# Altium PCB CGRA_Board_3.PcbDoc (part 4 of 7)
Units mil, origin at the board's own origin, x right, y up, seen from the top; angles counter-clockwise.
Board outline 10143 x 5538 mil, 10 copper layers (Top Layer, GND, Int2 (Sign), 1V8, Int4 (Sign), Int5 (Sign), 0V8_OUT, Int7 (Sign), GND (Plane4), Bottom Layer), stack 59.156 mil thick; 266 components, 396 nets, 2084 pads, 2900 vias.
Unrouted connection lines stored in the file: 464.
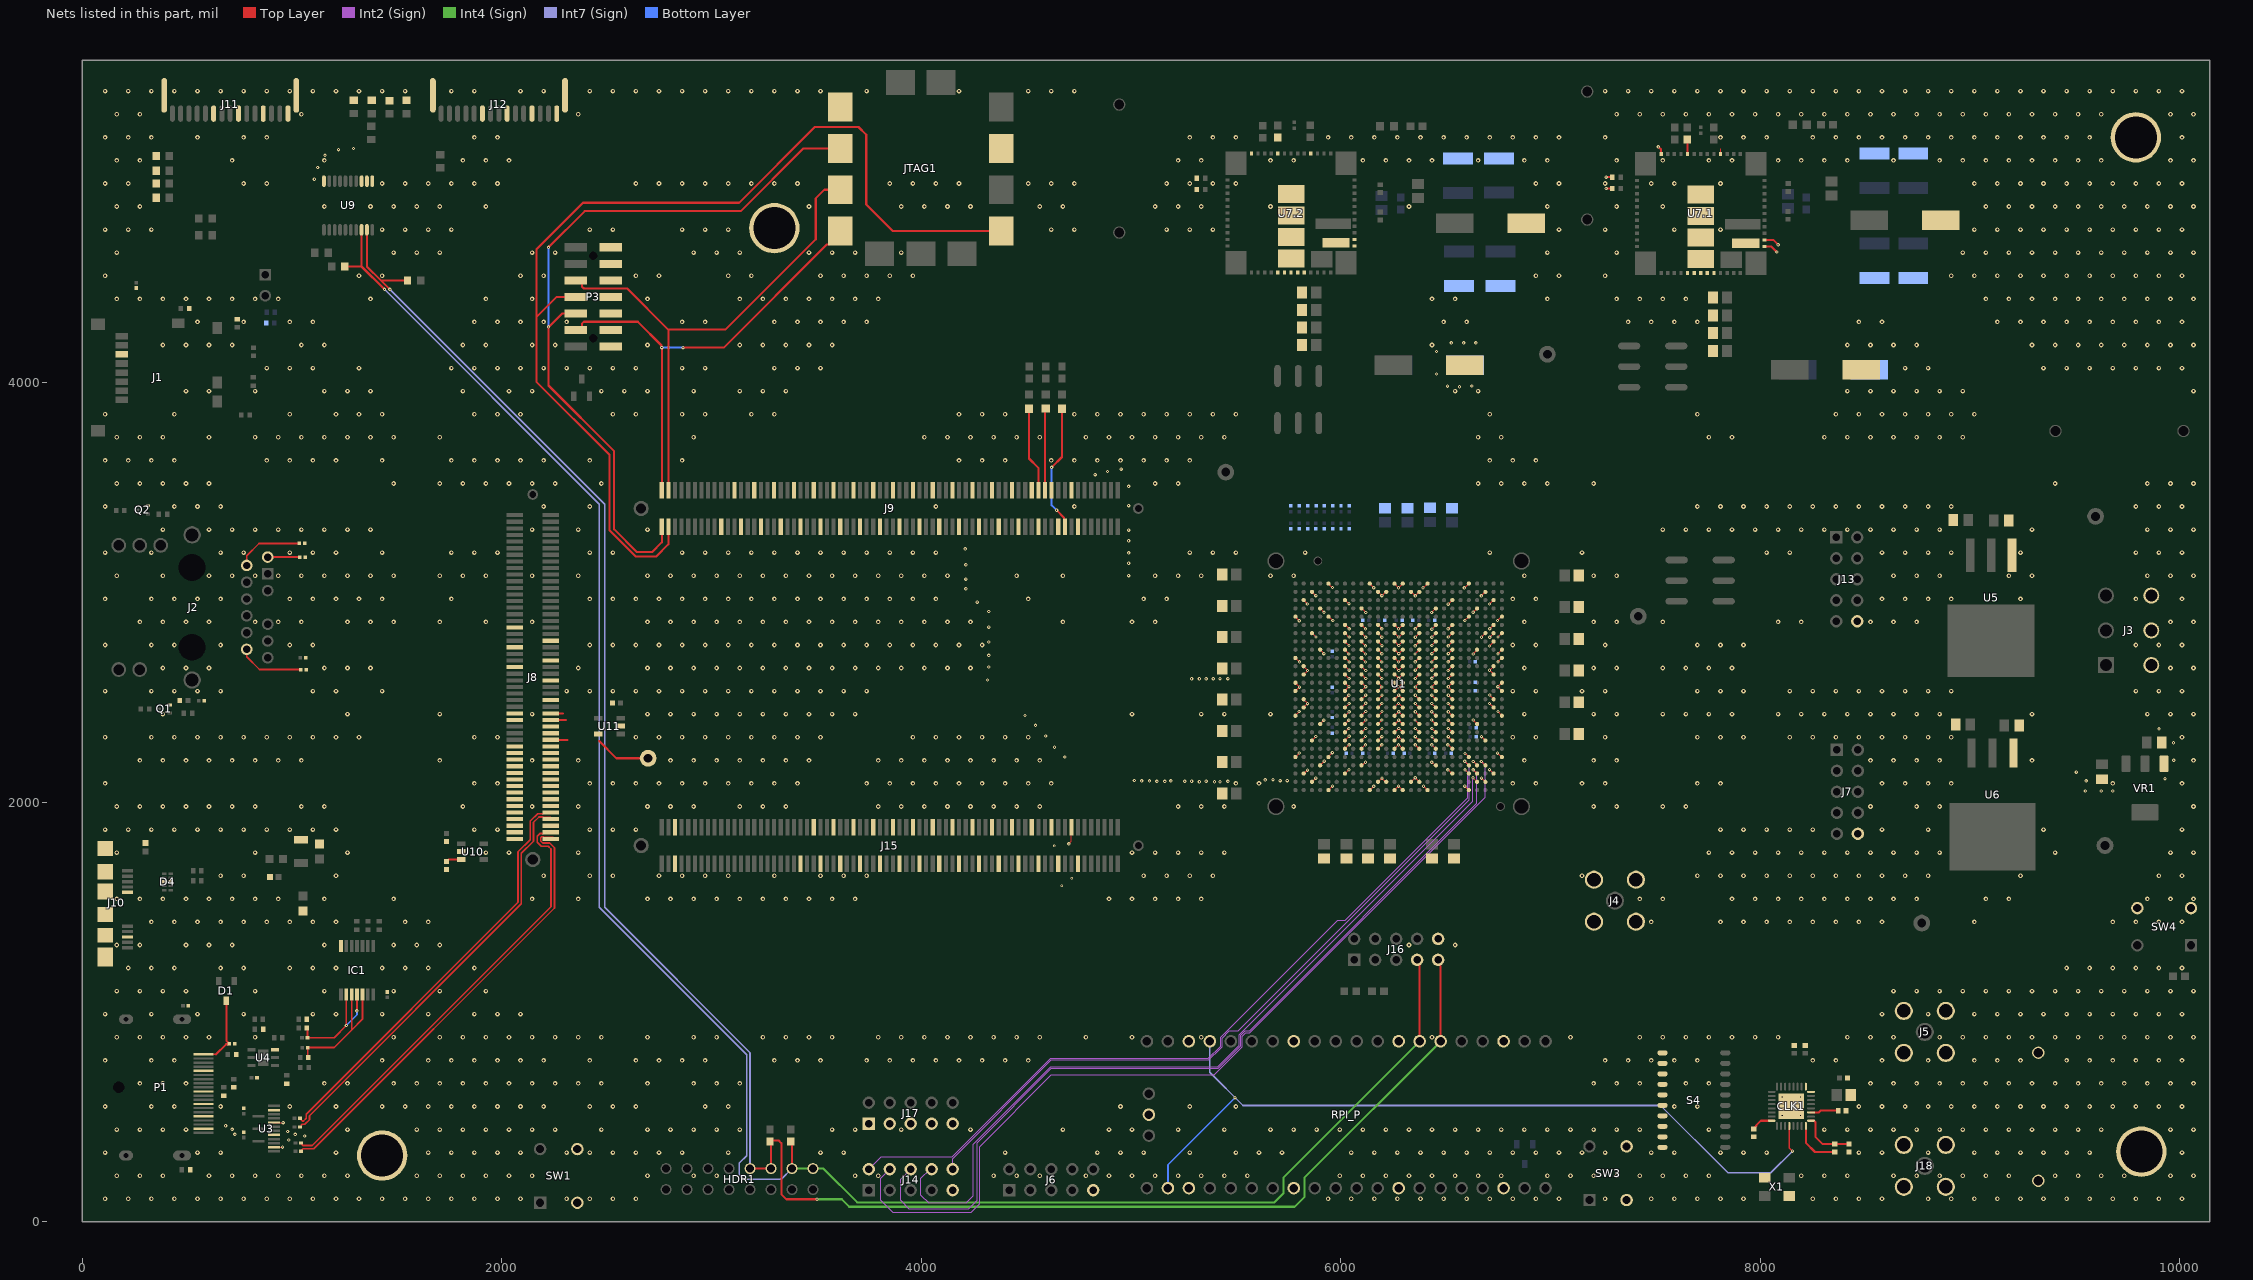
[diagram p12: the nets of this part, all layers, seen from the top]

## Via types
v1: diameter 22, hole 10, Top Layer to Bottom Layer, 1756 vias
v2: diameter 15.98, hole 4, Top Layer to Bottom Layer, 537 vias
v3: diameter 15.98, hole 4, Top Layer to Bottom Layer, tented both sides, 515 vias
v4: diameter 16, hole 4, Top Layer to Bottom Layer, 47 vias
v5: diameter 12, hole 6, Top Layer to Bottom Layer, 30 vias
v6: diameter 16, hole 8, Top Layer to Bottom Layer, 15 vias

## Nets (pads, with @x,y where several pads share a name; then routed paths per layer and width w, separated by ;. In a path a pad name is that pad's centre, name@x,y a point inside that pad or via, vN(x,y) a via of type N, cw(c..) or ccw(c..) an arc to the next point about the centre after c; other vN are vias at no path point) (continued)
GND: B5.1 B5.2 C1.2 C2.2 C3.2 C4.2 C5.2 C6.2 C7.2 C8.2 C9.2 C10.2 C11.2 C12.2 C13.2 C14.2 C15.2 C16.2 C17.2 C18.2 C19.2 C20.2 C21.2 C22.2 C23.2 C24.2 C25.2 C26.2 C27.2 C28.2 C29.2 C30.2 C31.2 C32.2 C33.2 C34.2 C35.2 C37.2 C38.2 C39.2 C40.2 C41.2 C42.2 C43.2 C44.2 C45.2 C46.2 C47.2 C48.2 C49.2 C96.2 C97.2 C98.2 C99.2 C100.2 C101.2 C106.2 C107.2 C108.2 C109.2 C110.2 C111.2 C112.2 C113.2 C114.2 C115.2 C116.2 C117.2 C118.2 C119.2 C120.2 C121.2 C137.1 C138.1 C139.1 C142.2 C143.1 C144.1 C145.2 C146.1 C147.1 C148.1 C149.1 C150.1 C151.1 C152.1 C153.1 C154.1 C155.1 C156.1 C157.1.2 C157.2.2 C158.1.2 C158.2.2 C159.1.2 C159.2.2 C160.1.2 C160.2.2 C161.1.2 C161.2.2 C163.1.2 C163.2.2 C164.1.2 C164.2.2 C165.1.2 C165.2.2 C166.1.2 C166.2.2 C167.1.2 C167.2.2 C168.1.2 C168.2.2 C173.1 C174.1 C175.1 C176.1 C177.1 C178.2 C179.2 C180.2 C181.2 C182.1 C183.1 C184.1 C185.1 CLK1.24 CLK1.25 CLK1.33 D4.3 D4.8 IC1.7 J1.6 J3.4 J3.5 J3.6 J4.MH J5.MH J6.9 J7.10 J8.2 J8.4 J8.5 J8.6 J8.8 J8.10 J8.11 J8.12 J8.14 J8.16 J8.17 J8.19 J8.22 J8.24 J8.25 J8.30 J8.43 J8.49 J8.54 J8.55 J8.60 J8.61 J8.66 J9.19 J9.24 J9.25 J9.30 J9.31 J9.36 J9.37 J9.42 J9.43 J9.48 J9.49 J9.54 J9.55 J9.60 J9.61 J9.66 J9.67 J9.72 J9.73 J9.78 J9.79 J9.84 J9.85 J9.90 J9.91 J9.96 J9.97 J9.102 J9.103 J9.108 J9.109 J9.114 J9.115 J9.120 J9.121 J9.126 J9.127 J10.5 J10.8 J10.Shell J11.6 J11.9 J11.12 J11.15 J11.16 J12.6 J12.9 J12.12 J12.15 J12.16 J13.10 J14.9 J15.5 J15.6 J15.43 J15.48 J15.49 J15.54 J15.55 J15.60 J15.61 J15.66 J15.67 J15.72 J15.73 J15.78 J15.79 J15.84 J15.85 J15.90 J15.91 J15.96 J15.97 J15.102 J15.103 J15.108 J15.109 J15.114 J15.115 J15.120 J15.121 J15.126 J15.127 J16.10 J17.1 J17.3 J17.5 J17.7 J17.9 J18.MH JTAG1.1 JTAG1.10 P1.2 P1.5 P1.8 P1.11 P1.16 P3.1 P3.3 P3.5 P3.7 P3.9 P3.11 P3.13 pad.2 pad.3 pad.4 pad.5 Q1.2 Q2.2 R5.1 R6.1 R9.1 R10.1 R11.1 R12.2 R13.2 R22.2 R24.1 R26.2 R31.1 R33.1 R34.1 R36.1 R37.1 RPI_P.3 RPI_P.8 RPI_P.13 RPI_P.18 RPI_P.23 RPI_P.28 RPI_P.33 RPI_P.38 RPI_P.42 Rset1.1.2 Rset1.2.2 S4.1 S4.2 S4.3 S4.4 S4.5 S4.6 S4.7 S4.8 S4.9 S4.10 SW1.3 SW1.4 SW3.3 SW3.4 SW4.3 SW4.4 U1.A5 U1.A10 U1.A13 U1.A14 U1.A17 U1.A22 U1.AB1 U1.AB5 U1.AB22 U1.AB26 U1.AC4 U1.AC9 U1.AC18 U1.AC23 U1.AD2 U1.AD7 U1.AD20 U1.AD25 U1.AE3 U1.AE11 U1.AE12 U1.AE15 U1.AE16 U1.AE24 U1.AF5 U1.AF10 U1.AF13 U1.AF14 U1.AF17 U1.AF22 U1.B3 U1.B11 U1.B12 U1.B15 U1.B16 U1.B24 U1.C2 U1.C7 U1.C20 U1.C25 U1.D4 U1.D9 U1.D18 U1.D23 U1.E1 U1.E5 U1.E22 U1.E26 U1.G3 U1.G6 U1.G7 U1.G8 U1.G9 U1.G10 U1.G11 U1.G12 U1.G13 U1.G14 U1.G15 U1.G16 U1.G17 U1.G18 U1.G19 U1.G20 U1.G21 U1.G24 U1.J4 U1.J6 U1.J7 U1.J8 U1.J9 U1.J10 U1.J11 U1.J12 U1.J13 U1.J14 U1.J15 U1.J16 U1.J17 U1.J18 U1.J19 U1.J20 U1.J21 U1.J23 U1.K1 U1.K26 U1.L2 U1.L6 U1.L7 U1.L8 U1.L9 U1.L10 U1.L11 U1.L12 U1.L13 U1.L14 U1.L15 U1.L16 U1.L17 U1.L18 U1.L19 U1.L20 U1.L21 U1.L25 U1.M2 U1.M25 U1.N1 U1.N6 U1.N7 U1.N8 U1.N9 U1.N10 U1.N11 U1.N12 U1.N13 U1.N14 U1.N15 U1.N16 U1.N17 U1.N18 U1.N19 U1.N20 U1.N21 U1.N26 U1.P1 U1.P6 U1.P7 U1.P8 U1.P9 U1.P10 U1.P11 U1.P12 U1.P13 U1.P14 U1.P15 U1.P16 U1.P17 U1.P18 U1.P19 U1.P20 U1.P21 U1.P26 U1.R2 U1.R25 U1.T2 U1.T6 U1.T7 U1.T8 U1.T9 U1.T10 U1.T11 U1.T12 U1.T13 U1.T14 U1.T15 U1.T16 U1.T17 U1.T18 U1.T19 U1.T20 U1.T21 U1.T25 U1.U1 U1.U26 U1.V4 U1.V6 U1.V7 U1.V8 U1.V9 U1.V10 U1.V11 U1.V12 U1.V13 U1.V14 U1.V15 U1.V16 U1.V17 U1.V18 U1.V19 U1.V20 U1.V21 U1.V23 U1.Y3 U1.Y6 U1.Y7 U1.Y8 U1.Y9 U1.Y10 U1.Y11 U1.Y12 U1.Y13 U1.Y14 U1.Y15 U1.Y16 U1.Y17 U1.Y18 U1.Y19 U1.Y20 U1.Y21 U1.Y24 U3.2 U3.5 U3.8 U3.11 U4.3 U5.1 U6.1 U7.1.5 U7.1.10 U7.1.14 U7.1.32 U7.1.33 U7.1.34 U7.1.35 U7.1.36 U7.1.42 U7.1.43 U7.1.54 U7.1.56 U7.1.57 U7.1.58 U7.1.59 U7.2.5 U7.2.10 U7.2.14 U7.2.32 U7.2.33 U7.2.34 U7.2.35 U7.2.36 U7.2.42 U7.2.43 U7.2.54 U7.2.56 U7.2.57 U7.2.58 U7.2.59 U9.1 U9.2 U9.3 U9.10 U10.2 U11.2 VR1.1 X1.2 X1.4 | length 6020.5
  Top Layer w5: D4.3@392,1620.69 D4.8@422.32,1620.69 ; U3.2@914.42,355.57 955.18,355.57 v2(955.55,355.94) ; U3.8@914.42,473.68 914.63,473.47 931.73,473.47 932.2,473 v2(958,473) ; v2(4704,1802) 4716.14,1814.14 J15.126@4716.14,1880.23 ; U1.AF22@5783.75,2215.78 5784.47,2215.78 5801.69,2233 5802,2233.31 v3(5802,2235) ; U1.AF17@5783.75,2412.63 5783.75,2413.84 5801.69,2431.79 v3(5801.69,2433) ; U1.AF14@5783.75,2530.74 5784.33,2530.74 5802.75,2549.16 v3(5803.34,2549.16) ; U1.AF13@5783.77,2570.11 5802.48,2551.4 v3@5802.51,2550.59 ; U1.AF10@5783.75,2688.22 5784.01,2688.22 5802.73,2669.5 v3(5803,2669.5) ; U1.AF5@5783.75,2885.07 5783.75,2884.5 5802.17,2866.08 v3(5802.17,2865.5) ; U1.AE24@5823.12,2137.04 5824.03,2137.04 5840.47,2153.48 v3(5841.39,2153.48) ; U1.AE16@5823.12,2452 5823.35,2452 5841.35,2470 v3@5841.58,2470 ; U1.AE15@5823.12,2491.37 5823.12,2490.07 5841.58,2471.6 v3(5841.58,2470.5) ; U1.AE12@5823.12,2609.48 v3(5841.58,2628) ; U1.AE11@5823.12,2648.85 5823.12,2647.28 5841.58,2628.81 v3(5841.58,2628) ; U1.AE3@5823.12,2963.81 5823.12,2963.6 5841,2945.72 v3(5841,2945.5) ; U1.AD25@5862.49,2097.67 5862.76,2097.67 5880.4,2115.31 v3(5880.67,2115.31) ; U1.AD20@5862.49,2294.52 5862.49,2295.08 5880.67,2313.26 v3(5880.67,2313.81) ; U1.AD7@5862.49,2806.33 5863.08,2806.33 5881.4,2788.01 v3(5882,2788.01) ; U1.AD2@5862.49,3003.18 5862.78,3003.18 5880.94,2985.02 v3(5881.24,2985.02) ; U1.AC23@5901.86,2176.41 5901.86,2176.63 5921,2195.78 v3(5921,2196) ; U1.AC18@5901.86,2373.26 5901.86,2373.77 5919.33,2391.25 v3(5919.33,2391.76) ; U1.AC9@5901.86,2727.59 5901.86,2726.95 5919.33,2709.48 v3(5919.33,2708.84) ; U1.AC4@5901.86,2924.44 5901.86,2923.99 5920,2905.84 v3(5920,2905.39) ; U1.AB26@5941.23,2058.3 5941.51,2058.3 5960.21,2077 v3(5960.5,2077) ; U1.AB22@5941.23,2215.78 5941.23,2217.42 5960,2236.19 v3(5960,2237) ; U1.AB5@5941.23,2885.07 5943.12,2885.07 5961.19,2867 v3(5962,2867) ; U1.AB1@5941.23,3042.55 5941.44,3042.55 5960.29,3023.7 v3(5960.5,3023.7) ; U1.Y24@6019.97,2137.04 6020.75,2137.04 6038.71,2155 v3(6039.5,2155) ; U1.Y21@6019.97,2255.15 6020.57,2255.15 6039.1,2273.68 v3(6039.7,2273.68) ; U1.Y20@6019.97,2294.52 6019.97,2294.89 6039.7,2314.63 v3(6039.7,2315) ; U1.Y19@6019.97,2333.89 6020.32,2333.89 6038.43,2352 v3(6038.78,2352) ; U1.Y18@6019.97,2373.26 v3(6038.43,2391.81) ; U1.Y17@6019.97,2412.63 6020.39,2412.63 6039.28,2431.52 v3(6039.7,2431.52) ; U1.Y16@6019.97,2452 6020.44,2452 6039.23,2470.79 v3(6039.7,2470.79) ; U1.Y15@6019.97,2491.37 6019.97,2491.58 6038.43,2510.04 v3(6038.43,2510.24) ; U1.Y14@6019.97,2530.74 6019.97,2531.47 6038.89,2550.39 v3(6038.89,2551.13) U1.Y13@6019.97,2570.11 ; U1.Y12@6019.97,2609.48 6020.09,2609.48 6039.58,2590 v3(6039.7,2590) ; U1.Y11@6019.97,2648.85 6020.31,2648.85 6039.36,2629.79 v3(6039.7,2629.79) ; U1.Y10@6019.97,2688.22 6020.54,2688.22 v3(6039.7,2669.06) ; U1.Y9@6019.97,2727.59 6019.97,2726.62 6038.78,2707.81 v3(6038.78,2707) ; U1.Y8@6019.97,2767.47 U1.Y8@6019.97,2766.96 6019.97,2766.53 6038.89,2747.61 v3(6038.89,2747.19) ; U1.Y7@6019.97,2806.33 6020.53,2806.33 6039.14,2787.71 v3@6039.14,2786.65 ; U1.Y6@6019.97,2845.7 6020.28,2845.7 6039.39,2826.58 v3(6039.7,2826.58) ; U1.Y3@6019.97,2963.81 6021.49,2963.81 6037.98,2947.33 v3(6039.5,2947.33) ; U1.V23@6098.71,2176.41 6102.11,2176.41 6116.84,2191.14 v3(6117.65,2191.14) ; U1.V21@6098.71,2255.15 v3(6117.65,2274.1) ; U1.V20@6098.71,2294.52 6098.71,2294.7 6117.65,2313.64 v3(6117.65,2313.81) ; U1.V19@6098.71,2333.89 6100.08,2333.89 6118.19,2352 v3(6119,2352) ; U1.V18@6098.71,2373.26 6099.48,2373.26 6118.22,2392 v3(6119,2392) ; U1.V17@6098.71,2412.67 v3(6119,2433) ; U1.V16@6098.71,2452 6098.85,2452 6118.85,2472 v3(6119,2472) ; U1.V14@6098.71,2530.74 6118.41,2550.43 6118.41,2551 6099.3,2570.11 U1.V13@6098.71,2570.11 ; U1.V12@6098.71,2609.48 6099.11,2609.48 6118.59,2590 v3(6119,2590) ; U1.V11@6098.71,2648.85 6098.71,2648.57 6119,2628.28 v3(6119,2628) ; U1.V10@6098.71,2688.22 U1.V10@6098.71,2688.22 6117.82,2669.06 v3(6117.82,2669) ; U1.V9@6098.71,2727.59 6098.71,2726.85 6117.82,2707.74 v3(6117.82,2707) ; U1.V8@6098.71,2766.96 6098.71,2765.78 6117.67,2746.82 v3(6117.67,2746.01) ; U1.V7@6098.71,2806.33 6099.01,2806.33 6118.7,2786.65 v3(6119,2786.65) ; U1.V6@6098.71,2845.7 6098.88,2845.7 6117.65,2826.93 v3(6117.82,2826.93) ; U1.V4@6098.71,2924.44 6099.13,2924.44 6118.57,2905 v3(6119,2905) ; U1.V15@6098.71,2491.37 v3(6118.41,2511) ; U1.U26@6138.08,2058.3 6138.52,2058.3 6156.56,2076.34 v3(6157,2076.34) ; U1.U1@6138.08,3042.55 6138.08,3042.24 6157,3023.31 v3(6157,3023) ; U1.T25@6177.45,2097.67 6178.05,2097.67 6195.9,2115.51 v3(6196.5,2115.51) ; U1.T21@6177.45,2255.15 v3(6195.81,2273.61) v3(6195.81,2273.61) ; U1.T20@6177.45,2294.52 6177.45,2294.72 6195.81,2313.07 v3(6195.81,2313.27) ; U1.T19@6177.45,2333.89 6178.08,2333.89 6196.19,2352 v3(6196.81,2352) ; U1.T18@6177.45,2373.26 6177.45,2373.45 6195.81,2391.81 v3(6195.81,2392) ; U1.T17@6177.45,2412.63 6177.45,2413.13 6196.81,2432.5 v3(6196.81,2433) ; U1.T16@6177.45,2452 6177.45,2452.4 6196,2470.95 v3(6196,2471.35) ; U1.T15@6177.45,2491.37 6177.45,2491.5 6196.81,2510.87 v3(6196.81,2511) ; U1.T14@6177.45,2530.74 6177.45,2531.21 v3(6195.81,2549.57) 6195.81,2550.86 6177.45,2569.21 U1.T13@6177.45,2570.11 ; U1.T12@6177.45,2609.48 6177.45,2609.16 6196,2590.6 v3(6196,2590.28) ; U1.T11@6177.45,2648.85 6177.45,2648.15 6195.81,2629.79 v3(6195.81,2629.09) ; U1.T10@6177.45,2688.22 6177.45,2687.86 6195.81,2669.51 v3(6195.81,2669.15) ; U1.T9@6177.45,2727.59 6177.45,2727.13 6195.81,2708.77 v3(6195.81,2708.31) ; U1.T8@6177.45,2766.96 6177.45,2766.48 6196.62,2747.31 v3(6196.62,2746.82) ; U1.T7@6177.45,2806.33 6177.45,2805.67 6195.81,2787.31 v3(6195.81,2786.65) ; U1.T6@6177.45,2845.7 6177.45,2845.49 6195.81,2827.13 v3(6195.81,2826.93) ; U1.T2@6177.45,3001.36 U1.T2@6177.45,3003.18 6177.64,3003.18 6195.81,2985.02 v3(6196,2985.02) 6196.81,2985.02 6214.97,3003.18 U1.R2@6216.82,3003.18 U1.R2@6216.82,3003 ; v3@6196.05,2115.51 6213.89,2097.67 U1.R25@6216.82,2097.67 ; U1.P26@6256.19,2058.3 6256.19,2058.39 6274.7,2076.91 6274.7,2077 v3(6275.5,2077) 6294.22,2058.3 U1.N26@6295.56,2058.3 ; U1.P21@6256.19,2255.15 6256.3,2255.15 6274.7,2273.56 v3(6274.81,2273.56) 6275.62,2273.56 6294.03,2255.15 U1.N21@6295.56,2255.15 ; U1.P20@6256.19,2294.52 6256.26,2294.52 6274.81,2313.07 v3(6274.88,2313.07) 6275.69,2313.07 6294.24,2294.52 U1.N20@6295.56,2294.52 ; U1.P19@6256.19,2333.89 6257.26,2333.89 6275.37,2352 v3(6276.18,2352) 6276.81,2352 6294.92,2333.89 U1.N19@6295.56,2333.89 ; U1.P18@6256.19,2373.26 6256.77,2373.26 6275.32,2391.81 v3(6275.91,2391.81) 6276.46,2391.81 6295.01,2373.26 U1.N18@6295.56,2373.26 ; U1.P17@6256.19,2412.63 6256.69,2412.63 6275.96,2431.9 v3(6276.46,2431.9) 6276.46,2431.82 6295.56,2412.72 U1.N17@6295.56,2412.63 ; U1.P16@6256.19,2452 6256.19,2452.27 6275,2471.08 v3(6275,2471.35) 6275.6,2471.35 6294.95,2452 U1.N16@6295.56,2452 ; U1.P15@6256.19,2491.37 6256.26,2491.37 6275.89,2511 v3(6275.96,2511) U1.N15@6295.56,2491.37 ; U1.P14@6256.19,2530.74 6256.19,2531.3 v3@6275.32,2550.44 ; U1.P13@6256.19,2570.11 v3(6275.32,2551) ; U1.P12@6256.19,2609.48 6256.6,2609.48 6275.48,2590.6 v3(6275.89,2590.6) 6276.29,2590.6 6295.16,2609.48 U1.N12@6295.56,2609.48 ; U1.P11@6256.19,2648.85 6256.19,2648.56 v3@6276.46,2628.29 ; U1.P10@6256.19,2688.22 6256.19,2688.02 6275,2669.2 v3(6275,2669) 6275.67,2669 6294.89,2688.22 U1.N10@6295.56,2688.22 ; U1.P9@6256.19,2727.59 6256.83,2727.59 6275.65,2708.77 v3(6276.29,2708.77) 6276.51,2708.77 6295.33,2727.59 U1.N9@6295.56,2727.59 ; U1.P8@6256.19,2766.96 6256.52,2766.96 6276.18,2747.31 v3(6276.51,2747.31) 6276.51,2747.61 6295.56,2766.66 U1.N8@6295.56,2766.96 ; U1.P7@6256.19,2806.33 6257.09,2806.33 6275.7,2787.71 v3(6276.51,2787.71) 6276.73,2787.71 6295.34,2806.33 U1.N7@6295.56,2806.33 ; U1.P6@6256.19,2845.7 6256.31,2845.7 6274.88,2827.13 v3(6275,2827.13) 6275.81,2827.13 6294.38,2845.7 U1.N6@6295.56,2845.7 ; U1.P1@6256.19,3042.55 6256.19,3042.18 6275,3023.37 6275,3023 v3(6275.5,3023) 6295.06,3042.55 U1.N1@6295.56,3042.55 ; v3(6276.46,2628) v3@6276.46,2628.29 ; U1.N14@6295.56,2530.75 v3@6275.6,2550.71 ; U1.N13@6295.56,2570.11 6295,2570.11 v3@6275.6,2550.71 ; U1.N11@6295.56,2648.85 6295.56,2647.91 6276.46,2628.81 v3@6276.46,2628.29 ; U1.M25@6334.93,2097.67 6335.29,2097.67 6354.62,2117 v3(6354.99,2117) U1.L25@6374.3,2097.67 ; U1.M2@6334.93,3003.18 6335.62,3003.18 6354.81,2984 v3(6355.5,2984) ; v3(6354,2392) 6354.78,2392 6373.52,2373.26 U1.L18@6374.3,2373.26 ; v3(6354,2707) 6354,2707.15 6374.3,2727.44 U1.L9@6374.3,2727.59 ; v3@6354.61,2984.06 6373.74,3003.18 U1.L2@6374.3,3003.18 ; v3(6354.94,2669.52) 6355.27,2669.52 6373.97,2688.22 U1.L10@6374.3,2688.22 ; v3(6354.94,2745.65) 6354.94,2746.46 6374.3,2765.82 U1.L8@6374.3,2766.96 ; v3(6355.27,2590) 6355.27,2590.23 6374.3,2609.25 U1.L12@6374.3,2609.48 ; v3(6355.27,2629.79) U1.L11@6374.3,2648.85 ; v3(6355.27,2786.65) 6355.27,2786.98 6374.3,2806 U1.L7@6374.3,2806.33 ; v3(6355.41,2352) 6355.8,2352 6373.91,2333.89 U1.L19@6374.3,2333.89 ; v3(6355.41,2431.9) 6355.41,2431.71 6374.3,2412.82 U1.L17@6374.3,2412.63 ; v3(6355.41,2470.93) U1.L16@6374.3,2452 ; v3(6355.41,2510.26) U1.L15@6374.3,2491.37 ; v3(6355.41,2826.58) 6355.41,2826.7 6374.3,2845.59 U1.L6@6374.3,2845.7 ; v3(6355.8,2313.27) 6355.8,2313.15 6374.3,2294.65 U1.L20@6374.3,2294.52 ; v3(6355.8,2273.56) U1.L21@6374.3,2255.15 ; U1.L14@6374.3,2530.74 6374.16,2530.74 6355.41,2549.5 v3(6355.27,2549.5) 6355.27,2550.29 6374.3,2569.32 U1.L13@6374.3,2570.11 ; v3(6392,3023) 6394.06,3023 6413.61,3042.55 U1.K1@6413.67,3042.55 ; v3(6394.5,2076.34) 6395.07,2076.34 6413.1,2058.3 U1.K26@6413.67,2058.3 ; v3(6433,2392) 6433.65,2392 6452.39,2373.26 U1.J18@6453.04,2373.26 ; v3(6433,2905) 6433.3,2905 6452.74,2924.44 U1.J4@6453.04,2924.44 ; v3(6433.65,2191.14) 6434.46,2191.14 6449.19,2176.41 U1.J23@6453.04,2176.41 ; v3(6433.65,2274.1) 6433.87,2274.1 6452.82,2255.15 U1.J21@6453.04,2255.15 ; v3(6433.67,2431.9) U1.J17@6453.04,2412.63 ; v3(6433.72,2470.95) 6433.9,2470.95 6452.85,2452 U1.J16@6453.04,2452 ; v3(6433.9,2510.65) v3(6433.9,2510.65) U1.J15@6453.04,2491.37 U1.J15@6453.04,2491.37 ; v3(6434.06,2590.6) v3(6434.06,2590.6) U1.J12@6453.04,2609.48 U1.J12@6453.04,2609.48 ; v3(6434.11,2629.89) U1.J11@6453.04,2648.85 ; v3(6434.11,2669) 6434.11,2669.15 6453.04,2688.08 U1.J10@6453.04,2688.22 ; v3(6434.11,2708.77) 6434.17,2708.77 U1.J9@6453.04,2727.59 U1.J9@6453.04,2727.59 ; v3(6434.17,2352) 6434.55,2352 6452.66,2333.89 U1.J19@6453.04,2333.89 ; v3(6434.17,2747.61) 6434.17,2747.85 6453.04,2766.72 U1.J8@6453.04,2766.96 ; v3(6434.17,2786.65) 6434.17,2787.05 6453.04,2805.92 U1.J7@6453.04,2806.33 ; v3(6434.17,2825) 6434.17,2825.81 6453.04,2844.68 U1.J6@6453.04,2845.7 ; v3@6434.55,2313.04 U1.J20@6453.04,2294.55 ; U1.J14@6453.04,2530.74 6452.89,2530.74 6434.06,2549.57 v3(6433.9,2549.57) 6433.9,2550.27 6453.04,2569.41 U1.J13@6453.04,2570.11 ; v3(6510.76,2154.76) 6511.57,2154.76 6529.29,2137.04 U1.G24@6531.78,2137.04 ; v3(6510.76,2274.1) 6511.57,2274.1 6530.52,2255.15 U1.G21@6531.78,2255.15 ; v3(6512,2391.81) 6512.62,2391.81 6531.16,2373.26 U1.G18@6531.78,2373.26 ; v3(6512,2470.91) 6512.43,2470.91 6531.35,2452 U1.G16@6531.78,2452 ; v3(6512,2628) 6512,2628.54 6531.78,2648.32 U1.G11@6531.78,2648.85 ; v3(6512,2669.52) 6512.54,2669.52 6531.24,2688.22 U1.G10@6531.78,2688.22 ; v3(6512,2827.13) 6512.61,2827.13 6531.17,2845.7 U1.G6@6531.78,2845.7 ; v3(6512.34,2944.56) 6512.43,2944.56 6531.68,2963.81 U1.G3@6531.78,2963.81 ; v3(6512.62,2312.98) 6512.97,2312.98 6531.43,2294.52 U1.G20@6531.78,2294.52 ; v3(6512.61,2787.71) 6512.88,2787.71 6531.5,2806.33 U1.G7@6531.78,2806.33 ; v3(6512.92,2352) 6513.3,2352 6531.41,2333.89 U1.G19@6531.78,2333.89 ; v3@6512.92,2431.52 U1.G17@6531.78,2412.67 ; v3@6512.92,2510.24 U1.G15@6531.78,2491.37 ; v3(6512.92,2590) 6512.92,2590.31 6531.78,2609.17 U1.G12@6531.78,2609.48 ; v3(6512.88,2708.77) U1.G9@6531.74,2727.59 ; v3(6512.88,2746.01) 6512.88,2746.82 6531.78,2765.72 U1.G8@6531.78,2766.96 ; U1.G14@6531.78,2530.74 6531.78,2531.44 6512.92,2550.3 v3(6512.92,2551) 6512.92,2551.13 6531.78,2569.98 U1.G13@6531.78,2570.11 ; v3(6589,3021.98) 6589.53,3022.51 6591,3022.51 6610.52,3042.03 U1.E1@6610.52,3042.55 ; v3(6591,2077) 6591.41,2077 6610.11,2058.3 U1.E26@6610.52,2058.3 ; v3(6591.35,2867) 6591.9,2867 6609.97,2885.07 U1.E5@6610.52,2885.07 ; v3(6592.35,2233) 6592.82,2233 6610.05,2215.78 U1.E22@6610.52,2215.78 ; v3(6630.79,2905.9) 6631.07,2905.9 6649.61,2924.44 U1.D4@6649.89,2924.44 ; v3(6631.62,2194.81) 6631.62,2194.74 6649.89,2176.48 U1.D23@6649.89,2176.41 ; v3(6631.62,2392) 6631.62,2391.76 6649.89,2373.5 U1.D18@6649.89,2373.26 ; v3(6631.62,2707) 6631.62,2707.81 6649.89,2726.08 U1.D9@6649.89,2727.59 ; v3(6670,2984) U1.C2@6689.22,3003.18 ; v3(6670.59,2115.48) 6671.02,2115.48 6688.83,2097.67 U1.C25@6689.26,2097.67 ; v3(6670.59,2786.65) 6670.59,2787.16 6689.26,2805.82 U1.C7@6689.26,2806.33 ; v3(6671.02,2312.82) U1.C20@6689.26,2294.55 ; v3(6709,2155.57) 6709.55,2155.57 6728.08,2137.04 U1.B24@6728.63,2137.04 ; v3(6709,2470.91) 6709.36,2470.91 6728.27,2452 U1.B16@6728.63,2452 ; v3(6709,2945.5) 6709.66,2945.5 6727.97,2963.81 U1.B3@6728.63,2963.81 ; v3(6710.22,2511.81) 6710.22,2511 6728.63,2492.59 U1.B15@6728.63,2491.37 ; U1.B12@6728.63,2609.48 6728.63,2609.6 6709,2629.23 v3(6709,2629.34) 6709.06,2629.34 U1.B11@6728.63,2648.85 U1.B11@6728.63,2648.85 ; v3(6747,2234.6) 6747.81,2234.6 6766.64,2215.78 U1.A22@6768,2215.78 ; v3(6747,2867) 6747.81,2867 6765.88,2885.07 U1.A5@6768,2885.07 ; v3(6749.54,2433) 6749.54,2432.19 6768,2413.72 U1.A17@6768,2412.63 ; v3(6749.54,2669.2) 6749.54,2669.48 6768,2687.94 U1.A10@6768,2688.22 ; U1.A14@6768,2530.74 6768,2531.27 6748.64,2550.63 v3(6748.64,2551.16) 6748.84,2551.16 6767.8,2570.11 U1.A13@6768,2570.11 ; U7.1.5@7810.49,5090.28 7810.49,5114.5 ; v3@6275.32,2550.44 v3@6275.6,2550.71 ; v3@6275.32,2550.44 v3(6275.32,2551) ; v3(6275.32,2551) v3@6275.6,2550.71
  Top Layer w10: v2(7264.89,4926) R37.1@7294.32,4926 ; v2(7264.89,4980) R36.1@7294.32,4980 ; v2(7514.15,5124.5) 7527.02,5111.63 U7.1.14@7527.02,5090.28 ; Rset1.1.2@7652,5160.26 7652,5091.28 U7.1.10@7653.01,5090.28 ; U7.1.42@8019.15,4649.33 8052.76,4649.33 v2(8079.09,4623) ; U7.1.43@8019.15,4680.83 8062.17,4680.83 v2(8085,4658)